# Altium PCB CHAHARDOLI-7 ADAD METAL.PcbDoc (part 10 of 11)
Units mm, origin at the board's own origin, x right, y up, seen from the top; angles counter-clockwise.
Board outline 151 x 86.38 mm, 2 copper layers (Top Layer, Bottom Layer); 1496 components, 81 nets, 3725 pads, 848 vias.
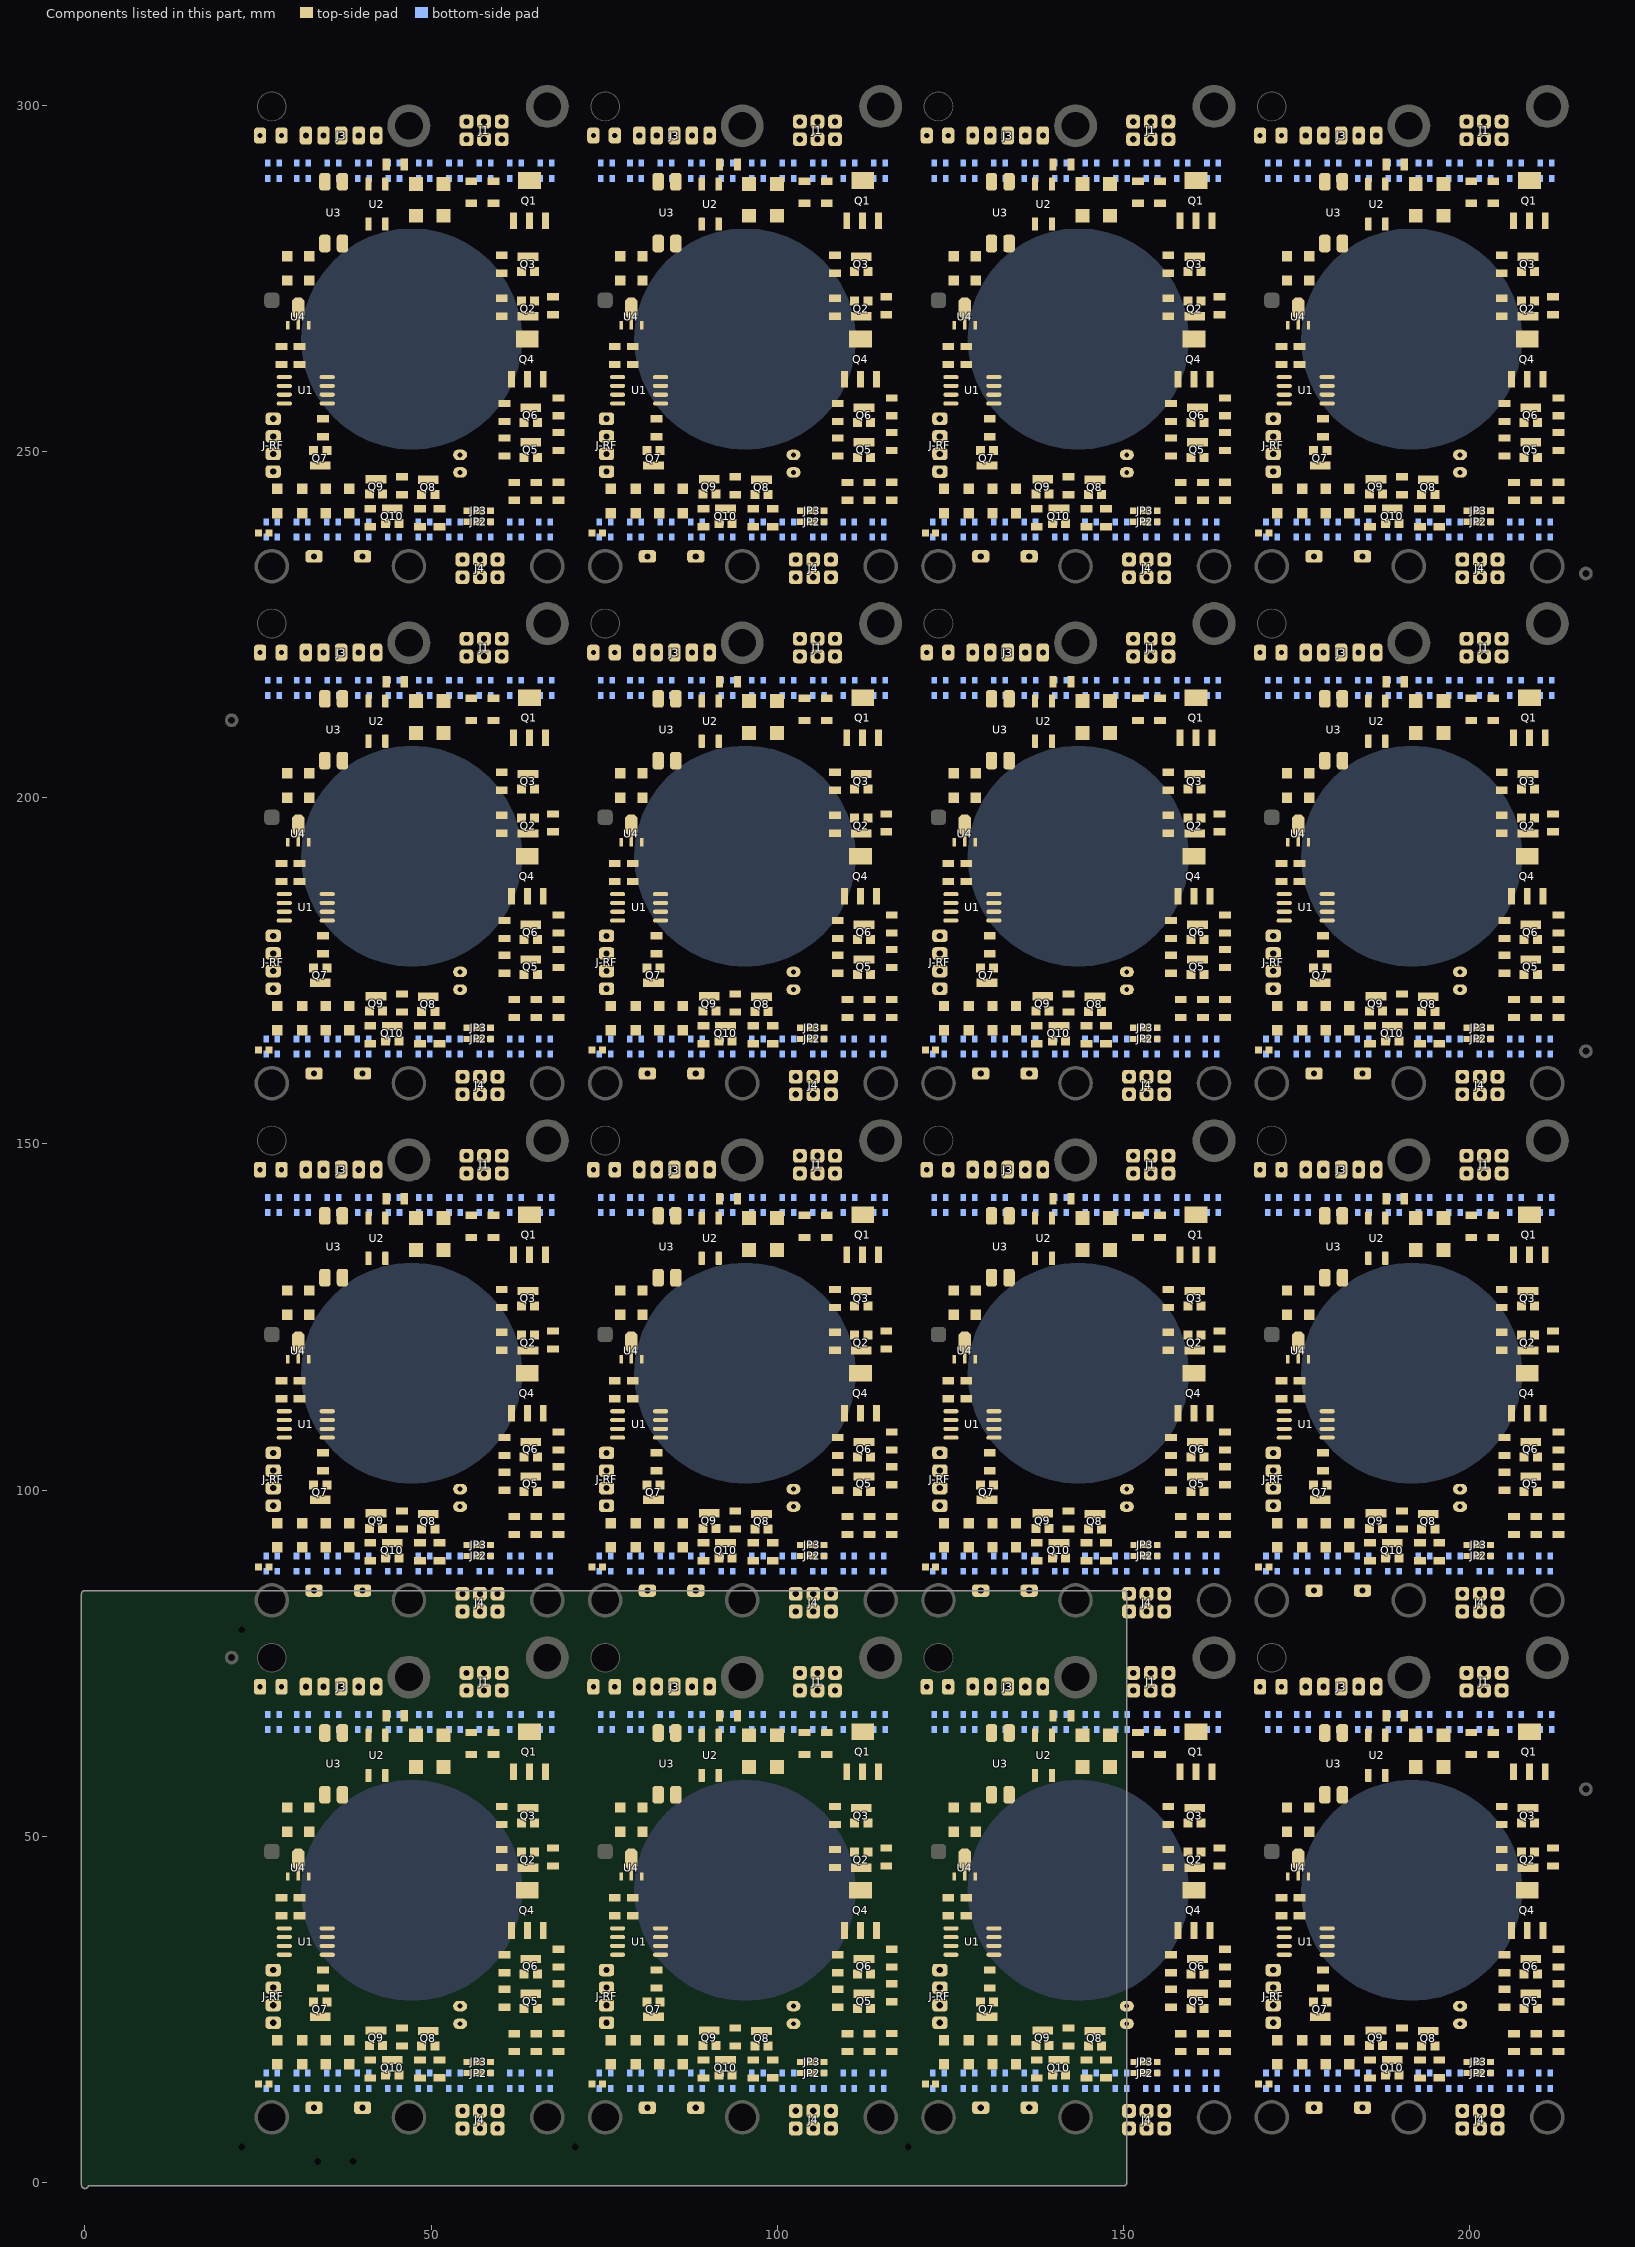
[diagram p10: the components of this part, seen from the top]

## Via types
v1: diameter 1.2, hole 0.6, Top Layer to Bottom Layer, tented both sides, 464 vias
v2: diameter 0.9, hole 0.6, Top Layer to Bottom Layer, tented both sides, 128 vias
v3: diameter 1, hole 0.6, Top Layer to Bottom Layer, tented both sides, 128 vias
v4: diameter 1.27, hole 0.6, Top Layer to Bottom Layer, tented both sides, 112 vias
v5: diameter 1.27, hole 0.711, Top Layer to Bottom Layer, tented both sides, 16 vias

## Nets (pads, with @x,y where several pads share a name; then routed paths per layer and width w, separated by ;. In a path a pad name is that pad's centre, name@x,y a point inside that pad or via, vN(x,y) a via of type N, cw(c..) or ccw(c..) an arc to the next point about the centre after c; other vN are vias at no path point) (continued)
copper on no net: (continued)
  Bottom Layer w0.4: 132.94,165.176 132.94,166.042 133.175,166.276 139.818,166.276 140.052,166.042 140.052,165.176 ; 132.94,239.864 132.94,240.73 133.175,240.964 139.818,240.964 140.052,240.73 140.052,239.864 ; 137.102,15.8 137.188,15.714 ; 137.102,90.488 137.188,90.402 ; 137.102,165.176 137.188,165.09 ; 137.102,239.864 137.188,239.779 ; 137.128,67.3 138.39,67.3 139.19,66.5 142.459,66.5 143.554,67.596 144.486,67.596 ; 137.128,141.988 138.39,141.988 139.19,141.188 142.459,141.188 143.554,142.284 144.486,142.284 ; 137.128,216.676 138.39,216.676 139.19,215.876 142.459,215.876 143.554,216.972 144.486,216.972 ; 137.128,291.364 138.39,291.364 139.19,290.564 142.459,290.564 143.554,291.66 144.486,291.66 ; 137.314,13.6 137.502,13.412 137.502,12.988 137.99,12.5 143.79,12.5 144.252,12.962 144.252,13.3 144.472,13.52 144.49,13.52 ; 137.314,88.288 137.502,88.1 137.502,87.676 137.99,87.188 143.79,87.188 144.252,87.65 144.252,87.988 144.472,88.208 144.49,88.208 ; 137.314,162.976 137.502,162.788 137.502,162.364 137.99,161.876 143.79,161.876 144.252,162.338 144.252,162.676 144.472,162.897 144.49,162.897 ; 137.314,237.664 137.502,237.476 137.502,237.053 137.99,236.564 143.79,236.564 144.252,237.026 144.252,237.364 144.472,237.585 144.49,237.585 ; 137.328,65.4 137.49,65.238 137.49,64.6 137.89,64.2 143.89,64.2 144.29,64.6 144.29,65.1 144.422,65.232 144.51,65.232 ; 137.328,140.088 137.49,139.926 137.49,139.288 137.89,138.888 143.89,138.888 144.29,139.288 144.29,139.788 144.422,139.92 144.51,139.92 ; 137.328,214.776 137.49,214.614 137.49,213.976 137.89,213.576 143.89,213.576 144.29,213.976 144.29,214.476 144.422,214.608 144.51,214.608 ; 137.328,289.464 137.49,289.303 137.49,288.664 137.89,288.264 143.89,288.264 144.29,288.664 144.29,289.164 144.422,289.296 144.51,289.296 ; 137.388,15.714 138.068,15.714 139.082,14.7 142.672,14.7 143.772,15.8 144.452,15.8 ; 137.388,90.402 138.068,90.402 139.082,89.388 142.672,89.388 143.772,90.488 144.452,90.488 ; 137.388,165.09 138.068,165.09 139.082,164.076 142.672,164.076 143.772,165.176 144.452,165.176 ; 137.388,239.779 138.068,239.779 139.082,238.764 142.672,238.764 143.772,239.864 144.452,239.864 ; 141.702,13.6 141.866,13.764 142.868,13.764 143.803,14.7 145.971,14.7 146.751,14.7 147.847,13.604 148.848,13.604 148.852,13.6 ; 141.702,15.8 141.702,16.666 141.936,16.9 148.618,16.9 148.852,16.666 148.852,15.8 ; 141.702,88.288 141.866,88.452 142.868,88.452 143.803,89.388 145.971,89.388 146.751,89.388 147.847,88.292 148.848,88.292 148.852,88.288 ; 141.702,90.488 141.702,91.354 141.936,91.588 148.618,91.588 148.852,91.354 148.852,90.488 ; 141.702,162.976 141.866,163.14 142.868,163.14 143.803,164.076 145.971,164.076 146.751,164.076 147.847,162.98 148.848,162.98 148.852,162.976 ; 141.702,165.176 141.702,166.042 141.936,166.276 148.618,166.276 148.852,166.042 148.852,165.176 ; 141.702,237.664 141.866,237.829 142.868,237.829 143.803,238.764 145.971,238.764 146.751,238.764 147.847,237.668 148.848,237.668 148.852,237.664 ; 141.702,239.864 141.702,240.73 141.936,240.964 148.618,240.964 148.852,240.73 148.852,239.864 ; 141.728,65.4 141.732,65.404 142.494,65.404 143.59,66.5 146.99,66.5 148.09,65.4 148.878,65.4 ; 141.728,67.6 141.928,67.8 141.928,68.238 142.39,68.7 148.19,68.7 148.678,68.212 148.678,67.8 148.878,67.6 ; 141.728,140.088 141.732,140.092 142.494,140.092 143.59,141.188 146.99,141.188 148.09,140.088 148.878,140.088 ; 141.728,142.288 141.928,142.488 141.928,142.926 142.39,143.388 148.19,143.388 148.678,142.9 148.678,142.488 148.878,142.288 ; 141.728,214.776 141.732,214.78 142.494,214.78 143.59,215.876 146.99,215.876 148.09,214.776 148.878,214.776 ; 141.728,216.976 141.928,217.176 141.928,217.614 142.39,218.076 148.19,218.076 148.678,217.588 148.678,217.176 148.878,216.976 ; 141.728,289.464 141.732,289.468 142.494,289.468 143.59,290.564 146.99,290.564 148.09,289.464 148.878,289.464 ; 141.728,291.664 141.928,291.864 141.928,292.303 142.39,292.764 148.19,292.764 148.678,292.276 148.678,291.864 148.878,291.664 ; 146.102,13.6 146.302,13.4 146.302,12.988 146.89,12.4 152.49,12.4 153.052,12.962 153.052,13.469 153.29,13.707 ; 146.102,15.8 146.89,15.8 147.99,14.7 151.39,14.7 152.49,15.8 152.852,15.8 ; 146.102,88.288 146.302,88.088 146.302,87.676 146.89,87.088 152.49,87.088 153.052,87.65 153.052,88.157 153.29,88.395 ; 146.102,90.488 146.89,90.488 147.99,89.388 151.39,89.388 152.49,90.488 152.852,90.488 ; 146.102,162.976 146.302,162.776 146.302,162.364 146.89,161.776 152.49,161.776 153.052,162.338 153.052,162.845 153.29,163.083 ; 146.102,165.176 146.89,165.176 147.99,164.076 151.39,164.076 152.49,165.176 152.852,165.176 ; 146.102,237.664 146.302,237.464 146.302,237.053 146.89,236.464 152.49,236.464 153.052,237.026 153.052,237.533 153.29,237.772 ; 146.102,239.864 146.89,239.864 147.99,238.764 151.39,238.764 152.49,239.864 152.852,239.864 ; 146.128,65.4 146.29,65.238 146.29,64.6 146.69,64.2 152.69,64.2 153.11,64.62 153.11,65.132 153.262,65.284 ; 146.128,140.088 146.29,139.926 146.29,139.288 146.69,138.888 152.69,138.888 153.11,139.308 153.11,139.82 153.262,139.972 ; 146.128,214.776 146.29,214.614 146.29,213.976 146.69,213.576 152.69,213.576 153.11,213.996 153.11,214.508 153.262,214.66 ; 146.128,289.464 146.29,289.303 146.29,288.664 146.69,288.264 152.69,288.264 153.11,288.684 153.11,289.196 153.262,289.348 ; 146.328,67.6 146.332,67.596 147.094,67.596 148.19,66.5 151.499,66.5 152.299,67.3 153.078,67.3 153.409,67.63 ; 146.328,142.288 146.332,142.284 147.094,142.284 148.19,141.188 151.499,141.188 152.299,141.988 153.078,141.988 153.409,142.318 ; 146.328,216.976 146.332,216.972 147.094,216.972 148.19,215.876 151.499,215.876 152.299,216.676 153.078,216.676 153.409,217.006 ; 146.328,291.664 146.332,291.66 147.094,291.66 148.19,290.564 151.498,290.564 152.298,291.364 153.078,291.364 153.409,291.695 ; 150.502,13.6 151.503,13.6 152.603,14.7 155.59,14.7 156.69,13.6 157.652,13.6 ; 150.502,15.8 150.585,15.883 150.585,16.666 150.819,16.9 156.552,16.9 157.352,16.1 157.452,16.1 157.652,15.9 157.652,15.8 ; 150.502,88.288 151.503,88.288 152.603,89.388 155.59,89.388 156.69,88.288 157.652,88.288 ; 150.502,90.488 150.585,90.571 150.585,91.354 150.819,91.588 156.552,91.588 157.352,90.788 157.452,90.788 157.652,90.588 157.652,90.488 ; 150.502,162.976 151.503,162.976 152.603,164.076 155.59,164.076 156.69,162.976 157.652,162.976 ; 150.502,165.176 150.585,165.259 150.585,166.042 150.819,166.276 156.552,166.276 157.352,165.476 157.452,165.476 157.652,165.276 157.652,165.176 ; 150.502,237.664 151.503,237.664 152.603,238.764 155.59,238.764 156.69,237.664 157.652,237.664 ; 150.502,239.864 150.585,239.947 150.585,240.73 150.819,240.964 156.552,240.964 157.352,240.164 157.452,240.164 157.652,239.964 157.652,239.864 ; 150.528,67.6 150.728,67.8 150.728,68.238 151.19,68.7 156.99,68.7 157.478,68.212 157.478,67.6 157.562,67.516 ; 150.528,142.288 150.728,142.488 150.728,142.926 151.19,143.388 156.99,143.388 157.478,142.9 157.478,142.288 157.562,142.204 ; 150.528,216.976 150.728,217.176 150.728,217.614 151.19,218.076 156.99,218.076 157.478,217.588 157.478,216.976 157.562,216.892 ; 150.528,291.664 150.728,291.864 150.728,292.303 151.19,292.764 156.99,292.764 157.478,292.276 157.478,291.664 157.562,291.58 ; 150.532,65.504 150.624,65.504 150.728,65.4 151.53,65.4 152.63,66.5 155.899,66.5 156.799,65.6 157.478,65.6 157.678,65.4 ; 150.532,140.192 150.624,140.192 150.728,140.088 151.53,140.088 152.63,141.188 155.899,141.188 156.799,140.288 157.478,140.288 157.678,140.088 ; 150.532,214.88 150.624,214.88 150.728,214.776 151.53,214.776 152.63,215.876 155.899,215.876 156.799,214.976 157.478,214.976 157.678,214.776 ; 150.532,289.568 150.624,289.568 150.728,289.464 151.53,289.464 152.63,290.564 155.898,290.564 156.798,289.664 157.478,289.664 157.678,289.464 ; 154.902,13.6 155.102,13.4 155.102,12.988 155.69,12.4 160.552,12.4 161.652,13.5 161.652,13.6 ; 154.902,15.8 155.89,15.8 156.99,14.7 159.951,14.7 161.051,15.8 161.652,15.8 ; 154.902,88.288 155.102,88.088 155.102,87.676 155.69,87.088 160.552,87.088 161.652,88.188 161.652,88.288 ; 154.902,90.488 155.89,90.488 156.99,89.388 159.951,89.388 161.051,90.488 161.652,90.488 ; 154.902,162.976 155.102,162.776 155.102,162.364 155.69,161.776 160.552,161.776 161.652,162.876 161.652,162.976 ; 154.902,165.176 155.89,165.176 156.99,164.076 159.951,164.076 161.051,165.176 161.652,165.176 ; 154.902,237.664 155.102,237.464 155.102,237.053 155.69,236.464 160.552,236.464 161.652,237.564 161.652,237.664 ; 154.902,239.864 155.89,239.864 156.99,238.764 159.951,238.764 161.051,239.864 161.652,239.864 ; 154.928,65.4 155.084,65.245 155.084,64.607 155.49,64.2 161.49,64.2 161.91,64.62 161.91,65.29 162.09,65.47 ; 154.928,67.4 155.128,67.6 155.93,67.6 157.03,66.5 160.099,66.5 161.199,67.6 162.078,67.6 ; 154.928,140.088 155.084,139.933 155.084,139.295 155.49,138.888 161.49,138.888 161.91,139.308 161.91,139.978 162.09,140.158 ; 154.928,142.088 155.128,142.288 155.93,142.288 157.03,141.188 160.099,141.188 161.199,142.288 162.078,142.288 ; 154.928,214.776 155.084,214.621 155.084,213.983 155.49,213.576 161.49,213.576 161.91,213.996 161.91,214.666 162.09,214.846 ; 154.928,216.776 155.128,216.976 155.93,216.976 157.03,215.876 160.099,215.876 161.199,216.976 162.078,216.976 ; 154.928,289.464 155.084,289.309 155.084,288.671 155.49,288.264 161.49,288.264 161.91,288.684 161.91,289.354 162.09,289.534 ; 154.928,291.464 155.128,291.664 155.93,291.664 157.03,290.564 160.098,290.564 161.198,291.664 162.078,291.664 ; v1@154.946,20.544 155.201,20.8 160.69,20.8 164.502,16.988 164.502,15.051 164.151,14.7 161.153,14.7 160.053,13.6 159.302,13.6 ; v1@154.946,95.232 155.201,95.488 160.69,95.488 164.502,91.676 164.502,89.74 164.151,89.388 161.153,89.388 160.053,88.288 159.302,88.288 ; v1@154.946,169.921 155.201,170.176 160.69,170.176 164.502,166.364 164.502,164.428 164.151,164.076 161.153,164.076 160.053,162.976 159.302,162.976 ; v1@154.946,244.609 155.201,244.864 160.69,244.864 164.502,241.053 164.502,239.116 164.151,238.764 161.153,238.764 160.053,237.664 159.302,237.664 ; 159.328,67.6 159.528,67.8 159.528,68.238 160.09,68.8 163.456,68.8 163.69,68.566 163.69,67.638 163.728,67.6 ; 159.328,142.288 159.528,142.488 159.528,142.926 160.09,143.488 163.456,143.488 163.69,143.254 163.69,142.326 163.728,142.288 ; 159.328,216.976 159.528,217.176 159.528,217.614 160.09,218.176 163.456,218.176 163.69,217.942 163.69,217.014 163.728,216.976 ; 159.328,291.664 159.528,291.864 159.528,292.303 160.09,292.864 163.456,292.864 163.69,292.63 163.69,291.703 163.728,291.664 ; v1(159.509,23.381) v1@159.49,23.362 ; v1(159.509,98.069) v1@159.49,98.05 ; v1(159.509,172.757) v1@159.49,172.738 ; v1(159.509,247.445) v1@159.49,247.426 ; 159.728,65.4 159.732,65.404 160.294,65.404 161.39,66.5 163.69,66.5 163.728,66.5 163.728,65.4 ; 159.728,140.088 159.732,140.092 160.294,140.092 161.39,141.188 163.69,141.188 163.728,141.188 163.728,140.088 ; 159.728,214.776 159.732,214.78 160.294,214.78 161.39,215.876 163.69,215.876 163.728,215.876 163.728,214.776 ; 159.728,289.464 159.732,289.468 160.294,289.468 161.39,290.564 163.69,290.564 163.728,290.564 163.728,289.464 ; 163.502,13.4 164.69,13.4 165.302,14.012 165.302,17.388 159.49,23.2 v1@159.49,23.362 ; 163.502,88.088 164.69,88.088 165.302,88.7 165.302,92.076 159.49,97.888 v1@159.49,98.05 ; 163.502,162.776 164.69,162.776 165.302,163.388 165.302,166.764 159.49,172.576 v1@159.49,172.738 ; 163.502,237.464 164.69,237.464 165.302,238.076 165.302,241.453 159.49,247.264 v1@159.49,247.426 ; 168.035,16 170.635,16 170.835,15.8 170.835,14.934 ; 168.035,90.688 170.635,90.688 170.835,90.488 170.835,89.622 ; 168.035,165.376 170.635,165.376 170.835,165.176 170.835,164.311 ; 168.035,240.064 170.635,240.064 170.835,239.864 170.835,238.999 ; v1(169.685,136.024) 169.685,136.241 169.024,136.902 169.024,141.654 169.67,142.3 170.811,142.3 170.824,142.288 ; v1(169.685,210.712) 169.685,210.929 169.024,211.59 169.024,216.342 169.67,216.988 170.811,216.988 170.824,216.976 ; v1(169.685,285.4) 169.685,285.617 169.024,286.279 169.024,291.03 169.67,291.676 170.811,291.676 170.824,291.664 ; v1(169.685,61.336) 169.685,61.552 169.024,62.214 169.024,66.966 169.67,67.612 170.811,67.612 170.824,67.6 ; 170.597,13.6 170.797,13.4 170.797,13.238 170.997,13.038 171.535,12.5 174.535,12.5 175.009,12.974 175.009,13.334 175.235,13.56 ; 170.597,88.288 170.797,88.088 170.797,87.926 170.997,87.726 171.535,87.188 174.535,87.188 175.009,87.662 175.009,88.022 175.235,88.249 ; 170.597,162.976 170.797,162.776 170.797,162.614 170.997,162.414 171.535,161.876 174.535,161.876 175.009,162.35 175.009,162.71 175.235,162.937 ; 170.597,237.664 170.797,237.464 170.797,237.303 170.997,237.103 171.535,236.564 174.535,236.564 175.009,237.038 175.009,237.398 175.235,237.625 ; 170.797,13.6 170.797,15.8 ; 170.797,88.288 170.797,90.488 ; 170.797,162.976 170.797,165.176 ; 170.797,237.664 170.797,239.864 ; 170.824,65.4 171.024,65.2 171.024,64.812 172.235,63.6 172.235,62.028 169.035,58.828 169.035,19 170.235,17.8 205.801,17.8 205.848,17.753 206.165,17.753 206.318,17.6 v1(206.435,17.6) 206.635,17.6 207.57,16.666 207.57,15.923 207.447,15.8 ; 170.824,140.088 171.024,139.888 171.024,139.5 172.235,138.288 172.235,136.717 169.035,133.517 169.035,93.688 170.235,92.488 205.801,92.488 205.848,92.441 206.165,92.441 206.318,92.288 v1(206.435,92.288) 206.635,92.288 207.57,91.354 207.57,90.611 207.447,90.488 ; 170.824,214.776 171.024,214.576 171.024,214.188 172.235,212.976 172.235,211.405 169.035,208.205 169.035,168.376 170.235,167.176 205.801,167.176 205.848,167.129 206.165,167.129 206.318,166.976 v1(206.435,166.976) 206.635,166.976 207.57,166.042 207.57,165.299 207.447,165.176 ; 170.824,289.464 171.024,289.264 171.024,288.876 172.235,287.664 172.235,286.093 169.035,282.893 169.035,243.064 170.235,241.864 205.801,241.864 205.848,241.817 206.165,241.817 206.318,241.664 v1(206.435,241.664) 206.635,241.664 207.57,240.73 207.57,239.987 207.447,239.864 ; 170.835,14.7 172.935,14.7 174.035,15.8 174.997,15.8 175.209,15.8 ; 170.835,89.388 172.935,89.388 174.035,90.488 174.997,90.488 175.209,90.488 ; 170.835,164.076 172.935,164.076 174.035,165.176 174.997,165.176 175.209,165.176 ; 170.835,238.764 172.935,238.764 174.035,239.864 174.997,239.864 175.209,239.864 ; v1(171.035,62.8) 169.824,64.012 169.824,66.188 170.135,66.5 173.204,66.5 174.258,67.554 174.824,67.554 174.824,67.6 ; v1(171.035,137.488) 169.824,138.7 169.824,140.876 170.135,141.188 173.204,141.188 174.258,142.242 174.824,142.242 174.824,142.288 ; v1(171.035,212.176) 169.824,213.388 169.824,215.564 170.135,215.876 173.204,215.876 174.258,216.93 174.824,216.93 174.824,216.976 ; v1(171.035,286.864) 169.824,288.076 169.824,290.253 170.135,290.564 173.204,290.564 174.258,291.618 174.824,291.618 174.824,291.664 ; v1(171.835,58.6) 171.682,58.447 171.682,58.047 170.735,57.1 170.735,34.5 173.635,31.6 173.635,22.2 176.285,19.55 201.805,19.55 202.855,20.6 v1(203.035,20.6) ; v1(171.835,133.288) 171.682,133.135 171.682,132.735 170.735,131.788 170.735,109.188 173.635,106.288 173.635,96.888 176.285,94.238 201.805,94.238 202.855,95.288 v1(203.035,95.288) ; v1(171.835,207.976) 171.682,207.823 171.682,207.423 170.735,206.476 170.735,183.876 173.635,180.976 173.635,171.576 176.285,168.926 201.805,168.926 202.855,169.976 v1(203.035,169.976) ; v1(171.835,282.664) 171.682,282.511 171.682,282.111 170.735,281.164 170.735,258.564 173.635,255.664 173.635,246.264 176.285,243.614 201.805,243.614 202.855,244.664 v1(203.035,244.664) ; 172.247,13.6 173.035,13.6 174.135,14.7 177.507,14.7 178.604,13.604 179.393,13.604 179.397,13.6 ; 172.247,88.288 173.035,88.288 174.135,89.388 177.507,89.388 178.604,88.292 179.393,88.292 179.397,88.288 ; 172.247,162.976 173.035,162.976 174.135,164.076 177.507,164.076 178.604,162.98 179.393,162.98 179.397,162.976 ; 172.247,237.664 173.035,237.664 174.135,238.764 177.507,238.764 178.604,237.668 179.393,237.668 179.397,237.664 ; 172.447,15.8 172.447,16.666 172.681,16.9 179.201,16.9 179.435,16.666 179.435,15.8 ; 172.447,90.488 172.447,91.354 172.681,91.588 179.201,91.588 179.435,91.354 179.435,90.488 ; 172.447,165.176 172.447,166.042 172.681,166.276 179.201,166.276 179.435,166.042 179.435,165.176 ; 172.447,239.864 172.447,240.73 172.681,240.964 179.201,240.964 179.435,240.73 179.435,239.864 ; 172.474,67.6 172.674,67.8 172.674,68.238 173.135,68.7 178.735,68.7 179.224,68.212 179.224,67.8 179.424,67.6 ; 172.474,142.288 172.674,142.488 172.674,142.926 173.135,143.388 178.735,143.388 179.224,142.9 179.224,142.488 179.424,142.288 ; 172.474,216.976 172.674,217.176 172.674,217.614 173.135,218.076 178.735,218.076 179.224,217.588 179.224,217.176 179.424,216.976 ; 172.474,291.664 172.674,291.864 172.674,292.303 173.135,292.764 178.735,292.764 179.223,292.276 179.223,291.864 179.424,291.664 ; 172.667,65.593 172.672,65.599 173.434,65.599 174.335,66.5 177.535,66.5 178.635,65.4 179.024,65.4 ; 172.667,140.281 172.672,140.287 173.434,140.287 174.335,141.188 177.535,141.188 178.635,140.088 179.024,140.088 ; 172.667,214.97 172.672,214.975 173.434,214.975 174.335,215.876 177.535,215.876 178.635,214.776 179.024,214.776 ; 172.667,289.658 172.672,289.663 173.434,289.663 174.335,290.564 177.535,290.564 178.635,289.464 179.024,289.464 ; v1(173.035,60) 173.035,59.784 173.435,59.384 173.435,58.2 171.535,56.3 171.535,34.9 174.435,32 174.435,23 177.085,20.35 201.082,20.35 202.932,22.2 206.474,22.2 v1@207.635,23.362 ; v1(173.035,134.688) 173.035,134.472 173.435,134.072 173.435,132.888 171.535,130.988 171.535,109.588 174.435,106.688 174.435,97.688 177.085,95.038 201.082,95.038 202.932,96.888 206.474,96.888 v1@207.635,98.05 ; v1(173.035,209.376) 173.035,209.16 173.435,208.76 173.435,207.576 171.535,205.676 171.535,184.276 174.435,181.376 174.435,172.376 177.085,169.726 201.082,169.726 202.932,171.576 206.474,171.576 v1@207.635,172.738 ; v1(173.035,284.064) 173.035,283.848 173.435,283.448 173.435,282.264 171.535,280.364 171.535,258.964 174.435,256.064 174.435,247.064 177.085,244.414 201.082,244.414 202.932,246.264 206.474,246.264 v1@207.635,247.426 ; 175.024,65.4 174.855,65.232 174.855,63.517 169.835,58.497 169.835,20.22 171.305,18.75 203.585,18.75 203.835,19 208.035,19 v1(209.435,17.6) 210.235,17.6 211.447,16.388 211.447,16 211.647,15.8 ; 175.024,140.088 174.855,139.92 174.855,138.205 169.835,133.185 169.835,94.908 171.305,93.438 203.585,93.438 203.835,93.688 208.035,93.688 v1(209.435,92.288) 210.235,92.288 211.447,91.076 211.447,90.688 211.647,90.488 ; 175.024,214.776 174.855,214.608 174.855,212.893 169.835,207.873 169.835,169.596 171.305,168.126 203.585,168.126 203.835,168.376 208.035,168.376 v1(209.435,166.976) 210.235,166.976 211.447,165.764 211.447,165.376 211.647,165.176 ; 175.024,289.464 174.855,289.296 174.855,287.581 169.835,282.561 169.835,244.284 171.305,242.814 203.585,242.814 203.835,243.064 208.035,243.064 v1(209.435,241.664) 210.235,241.664 211.447,240.453 211.447,240.064 211.647,239.864 ; 176.674,67.6 177.675,67.6 178.775,66.5 182.044,66.5 183.058,67.514 183.738,67.514 183.824,67.6 ; 176.674,142.288 177.675,142.288 178.775,141.188 182.044,141.188 183.058,142.202 183.738,142.202 183.824,142.288 ; 176.674,216.976 177.675,216.976 178.775,215.876 182.044,215.876 183.058,216.89 183.738,216.89 183.824,216.976 ; 176.674,291.664 177.675,291.664 178.775,290.564 182.044,290.564 183.058,291.579 183.738,291.579 183.824,291.664 ; 176.701,65.173 176.701,64.534 177.035,64.2 183.235,64.2 183.655,64.62 183.655,65.208 183.835,65.388 ; 176.701,139.861 176.701,139.222 177.035,138.888 183.235,138.888 183.655,139.308 183.655,139.896 183.835,140.077 ; 176.701,214.549 176.701,213.911 177.035,213.576 183.235,213.576 183.655,213.996 183.655,214.584 183.835,214.765 ; 176.701,289.237 176.701,288.599 177.035,288.264 183.235,288.264 183.655,288.684 183.655,289.273 183.835,289.453 ; 176.859,15.6 176.959,15.5 177.839,15.5 178.639,14.7 182.004,14.7 182.804,15.5 183.597,15.5 183.809,15.712 183.809,15.8 ; 176.859,90.288 176.959,90.188 177.839,90.188 178.639,89.388 182.004,89.388 182.804,90.188 183.597,90.188 183.809,90.4 183.809,90.488 ; 176.859,164.976 176.959,164.876 177.839,164.876 178.639,164.076 182.004,164.076 182.804,164.876 183.597,164.876 183.809,165.088 183.809,165.176 ; 176.859,239.664 176.959,239.564 177.839,239.564 178.639,238.764 182.004,238.764 182.804,239.564 183.597,239.564 183.809,239.776 183.809,239.864 ; 176.959,13.4 177.059,13.3 177.059,12.976 177.535,12.5 183.135,12.5 183.597,12.962 183.597,13.331 183.835,13.569 ; 176.959,88.088 177.059,87.988 177.059,87.665 177.535,87.188 183.135,87.188 183.597,87.65 183.597,88.019 183.835,88.258 ; 176.959,162.776 177.059,162.676 177.059,162.353 177.535,161.876 183.135,161.876 183.597,162.338 183.597,162.707 183.835,162.946 ; 176.959,237.464 177.059,237.364 177.059,237.041 177.535,236.564 183.135,236.564 183.597,237.026 183.597,237.396 183.835,237.634 ; 181.047,13.6 182.035,13.6 183.135,14.7 184.799,14.7 186.096,14.7 187.196,13.6 188.197,13.6 ; 181.047,88.288 182.035,88.288 183.135,89.388 184.799,89.388 186.096,89.388 187.196,88.288 188.197,88.288 ; 181.047,162.976 182.035,162.976 183.135,164.076 184.799,164.076 186.096,164.076 187.196,162.976 188.197,162.976 ; 181.047,237.664 182.035,237.664 183.135,238.764 184.799,238.764 186.096,238.764 187.196,237.664 188.197,237.664 ; 181.074,65.488 181.186,65.488 181.274,65.4 182.075,65.4 183.175,66.5 186.135,66.5 187.235,65.4 188.224,65.4 ; 181.074,67.6 181.274,67.8 181.274,68.238 181.735,68.7 187.535,68.7 188.024,68.212 188.024,67.8 188.224,67.6 ; 181.074,140.176 181.186,140.176 181.274,140.088 182.075,140.088 183.175,141.188 186.135,141.188 187.235,140.088 188.224,140.088 ; 181.074,142.288 181.274,142.488 181.274,142.926 181.735,143.388 187.535,143.388 188.024,142.9 188.024,142.488 188.224,142.288 ; 181.074,214.864 181.186,214.864 181.274,214.776 182.075,214.776 183.175,215.876 186.135,215.876 187.235,214.776 188.224,214.776 ; 181.074,216.976 181.274,217.176 181.274,217.614 181.735,218.076 187.535,218.076 188.024,217.588 188.024,217.176 188.224,216.976 ; 181.074,289.552 181.186,289.552 181.274,289.464 182.075,289.464 183.175,290.564 186.135,290.564 187.235,289.464 188.224,289.464 ; 181.074,291.664 181.274,291.864 181.274,292.303 181.735,292.764 187.535,292.764 188.023,292.276 188.023,291.864 188.224,291.664 ; 181.085,15.8 181.085,16.666 181.32,16.9 187.963,16.9 188.197,16.666 188.197,15.8 ; 181.085,90.488 181.085,91.354 181.32,91.588 187.963,91.588 188.197,91.354 188.197,90.488 ; 181.085,165.176 181.085,166.042 181.32,166.276 187.963,166.276 188.197,166.042 188.197,165.176 ; 181.085,239.864 181.085,240.73 181.32,240.964 187.963,240.964 188.197,240.73 188.197,239.864 ; 185.247,15.8 185.333,15.714 ; 185.247,90.488 185.333,90.402 ; 185.247,165.176 185.333,165.09 ; 185.247,239.864 185.333,239.779 ; 185.274,67.3 186.535,67.3 187.335,66.5 190.604,66.5 191.7,67.596 192.631,67.596 ; 185.274,141.988 186.535,141.988 187.335,141.188 190.604,141.188 191.7,142.284 192.631,142.284 ; 185.274,216.676 186.535,216.676 187.335,215.876 190.604,215.876 191.7,216.972 192.631,216.972 ; 185.274,291.364 186.535,291.364 187.335,290.564 190.604,290.564 191.7,291.66 192.631,291.66 ; 185.459,13.6 185.647,13.412 185.647,12.988 186.135,12.5 191.935,12.5 192.397,12.962 192.397,13.3 192.618,13.52 192.635,13.52 ; 185.459,88.288 185.647,88.1 185.647,87.676 186.135,87.188 191.935,87.188 192.397,87.65 192.397,87.988 192.617,88.208 192.635,88.208 ; 185.459,162.976 185.647,162.788 185.647,162.364 186.135,161.876 191.935,161.876 192.397,162.338 192.397,162.676 192.617,162.897 192.635,162.897 ; 185.459,237.664 185.647,237.476 185.647,237.053 186.135,236.564 191.935,236.564 192.397,237.026 192.397,237.364 192.617,237.585 192.635,237.585 ; 185.474,65.4 185.635,65.238 185.635,64.6 186.035,64.2 192.035,64.2 192.435,64.6 192.435,65.1 192.567,65.232 192.655,65.232 ; 185.474,140.088 185.635,139.926 185.635,139.288 186.035,138.888 192.035,138.888 192.435,139.288 192.435,139.788 192.567,139.92 192.655,139.92 ; 185.474,214.776 185.635,214.614 185.635,213.976 186.035,213.576 192.035,213.576 192.435,213.976 192.435,214.476 192.567,214.608 192.655,214.608 ; 185.474,289.464 185.635,289.303 185.635,288.664 186.035,288.264 192.035,288.264 192.435,288.664 192.435,289.164 192.567,289.296 192.655,289.296 ; 185.533,15.714 186.213,15.714 187.227,14.7 190.817,14.7 191.917,15.8 192.597,15.8 ; 185.533,90.402 186.213,90.402 187.227,89.388 190.817,89.388 191.917,90.488 192.597,90.488 ; 185.533,165.09 186.213,165.09 187.227,164.076 190.817,164.076 191.917,165.176 192.597,165.176 ; 185.533,239.779 186.213,239.779 187.227,238.764 190.817,238.764 191.917,239.864 192.597,239.864 ; 189.847,13.6 190.011,13.764 191.013,13.764 191.949,14.7 194.116,14.7 194.896,14.7 195.992,13.604 196.993,13.604 196.997,13.6 ; 189.847,15.8 189.847,16.666 190.081,16.9 196.763,16.9 196.997,16.666 196.997,15.8 ; 189.847,88.288 190.011,88.452 191.013,88.452 191.949,89.388 194.116,89.388 194.896,89.388 195.992,88.292 196.993,88.292 196.997,88.288 ; 189.847,90.488 189.847,91.354 190.081,91.588 196.763,91.588 196.997,91.354 196.997,90.488 ; 189.847,162.976 190.011,163.14 191.013,163.14 191.949,164.076 194.116,164.076 194.896,164.076 195.992,162.98 196.993,162.98 196.997,162.976 ; 189.847,165.176 189.847,166.042 190.081,166.276 196.763,166.276 196.997,166.042 196.997,165.176 ; 189.847,237.664 190.011,237.829 191.013,237.829 191.949,238.764 194.116,238.764 194.896,238.764 195.992,237.668 196.993,237.668 196.997,237.664 ; 189.847,239.864 189.847,240.73 190.081,240.964 196.763,240.964 196.997,240.73 196.997,239.864 ; 189.874,65.4 189.877,65.404 190.639,65.404 191.735,66.5 195.135,66.5 196.235,65.4 197.024,65.4 ; 189.874,67.6 190.074,67.8 190.074,68.238 190.535,68.7 196.335,68.7 196.824,68.212 196.824,67.8 197.024,67.6 ; 189.874,140.088 189.877,140.092 190.639,140.092 191.735,141.188 195.135,141.188 196.235,140.088 197.024,140.088 ; 189.874,142.288 190.074,142.488 190.074,142.926 190.535,143.388 196.335,143.388 196.824,142.9 196.824,142.488 197.024,142.288 ; 189.874,214.776 189.877,214.78 190.639,214.78 191.735,215.876 195.135,215.876 196.235,214.776 197.024,214.776 ; 189.874,216.976 190.074,217.176 190.074,217.614 190.535,218.076 196.335,218.076 196.824,217.588 196.824,217.176 197.024,216.976 ; 189.874,289.464 189.877,289.468 190.639,289.468 191.735,290.564 195.135,290.564 196.235,289.464 197.024,289.464 ; 189.874,291.664 190.074,291.864 190.074,292.303 190.535,292.764 196.335,292.764 196.824,292.276 196.824,291.864 197.024,291.664 ; 194.247,88.288 194.447,88.088 194.447,87.676 195.035,87.088 200.635,87.088 201.197,87.65 201.197,88.157 201.435,88.395 ; 194.247,90.488 195.035,90.488 196.135,89.388 199.535,89.388 200.635,90.488 200.997,90.488 ; 194.247,162.976 194.447,162.776 194.447,162.364 195.035,161.776 200.635,161.776 201.197,162.338 201.197,162.845 201.435,163.083 ; 194.247,165.176 195.035,165.176 196.135,164.076 199.535,164.076 200.635,165.176 200.997,165.176 ; 194.247,237.664 194.447,237.464 194.447,237.053 195.035,236.464 200.635,236.464 201.197,237.026 201.197,237.533 201.435,237.772 ; 194.247,239.864 195.035,239.864 196.135,238.764 199.535,238.764 200.635,239.864 200.997,239.864 ; 194.247,13.6 194.447,13.4 194.447,12.988 195.035,12.4 200.635,12.4 201.197,12.962 201.197,13.469 201.435,13.707 ; 194.247,15.8 195.035,15.8 196.135,14.7 199.535,14.7 200.635,15.8 200.997,15.8 ; 194.274,65.4 194.435,65.238 194.435,64.6 194.835,64.2 200.835,64.2 201.255,64.62 201.255,65.132 201.408,65.284 ; 194.274,140.088 194.435,139.926 194.435,139.288 194.835,138.888 200.835,138.888 201.255,139.308 201.255,139.82 201.408,139.972 ; 194.274,214.776 194.435,214.614 194.435,213.976 194.835,213.576 200.835,213.576 201.255,213.996 201.255,214.508 201.408,214.66 ; 194.274,289.464 194.435,289.303 194.435,288.664 194.835,288.264 200.835,288.264 201.255,288.684 201.255,289.196 201.408,289.348 ; 194.474,67.6 194.477,67.596 195.239,67.596 196.335,66.5 199.644,66.5 200.444,67.3 201.224,67.3 201.554,67.63 ; 194.474,142.288 194.477,142.284 195.239,142.284 196.335,141.188 199.644,141.188 200.444,141.988 201.224,141.988 201.554,142.318 ; 194.474,216.976 194.477,216.972 195.239,216.972 196.335,215.876 199.644,215.876 200.444,216.676 201.224,216.676 201.554,217.006 ; 194.474,291.664 194.477,291.66 195.239,291.66 196.335,290.564 199.644,290.564 200.444,291.364 201.224,291.364 201.554,291.695 ; 198.647,13.6 199.649,13.6 200.749,14.7 203.735,14.7 204.835,13.6 205.797,13.6 ; 198.647,15.8 198.73,15.883 198.73,16.666 198.964,16.9 204.697,16.9 205.497,16.1 205.597,16.1 205.797,15.9 205.797,15.8 ; 198.647,88.288 199.649,88.288 200.749,89.388 203.735,89.388 204.835,88.288 205.797,88.288 ; 198.647,90.488 198.73,90.571 198.73,91.354 198.964,91.588 204.697,91.588 205.497,90.788 205.597,90.788 205.797,90.588 205.797,90.488 ; 198.647,162.976 199.649,162.976 200.749,164.076 203.735,164.076 204.835,162.976 205.797,162.976 ; 198.647,165.176 198.73,165.259 198.73,166.042 198.964,166.276 204.697,166.276 205.497,165.476 205.597,165.476 205.797,165.276 205.797,165.176 ; 198.647,237.664 199.649,237.664 200.749,238.764 203.735,238.764 204.835,237.664 205.797,237.664 ; 198.647,239.864 198.73,239.947 198.73,240.73 198.964,240.964 204.697,240.964 205.497,240.164 205.597,240.164 205.797,239.964 205.797,239.864 ; 198.674,67.6 198.874,67.8 198.874,68.238 199.335,68.7 205.135,68.7 205.624,68.212 205.624,67.6 205.708,67.516 ; 198.674,142.288 198.874,142.488 198.874,142.926 199.335,143.388 205.135,143.388 205.624,142.9 205.624,142.288 205.708,142.204 ; 198.674,216.976 198.874,217.176 198.874,217.614 199.335,218.076 205.135,218.076 205.624,217.588 205.624,216.976 205.708,216.892 ; 198.674,291.664 198.874,291.864 198.874,292.303 199.335,292.764 205.135,292.764 205.624,292.276 205.624,291.664 205.708,291.58 ; 198.678,65.504 198.77,65.504 198.874,65.4 199.675,65.4 200.775,66.5 204.044,66.5 204.944,65.6 205.624,65.6 205.824,65.4 ; 198.678,140.192 198.769,140.192 198.874,140.088 199.675,140.088 200.775,141.188 204.044,141.188 204.944,140.288 205.624,140.288 205.824,140.088 ; 198.678,214.88 198.769,214.88 198.874,214.776 199.675,214.776 200.775,215.876 204.044,215.876 204.944,214.976 205.624,214.976 205.824,214.776 ; 198.678,289.568 198.769,289.568 198.874,289.464 199.675,289.464 200.775,290.564 204.044,290.564 204.944,289.664 205.624,289.664 205.824,289.464 ; 203.047,13.6 203.247,13.4 203.247,12.988 203.835,12.4 208.697,12.4 209.797,13.5 209.797,13.6 ; 203.047,15.8 204.035,15.8 205.135,14.7 208.096,14.7 209.196,15.8 209.797,15.8 ; 203.047,88.288 203.247,88.088 203.247,87.676 203.835,87.088 208.697,87.088 209.797,88.188 209.797,88.288 ; 203.047,90.488 204.035,90.488 205.135,89.388 208.096,89.388 209.196,90.488 209.797,90.488 ; 203.047,162.976 203.247,162.776 203.247,162.364 203.835,161.776 208.697,161.776 209.797,162.876 209.797,162.976 ; 203.047,165.176 204.035,165.176 205.135,164.076 208.096,164.076 209.196,165.176 209.797,165.176 ; 203.047,237.664 203.247,237.464 203.247,237.053 203.835,236.464 208.697,236.464 209.797,237.564 209.797,237.664 ; 203.047,239.864 204.035,239.864 205.135,238.764 208.096,238.764 209.196,239.864 209.797,239.864 ; 203.074,65.4 203.229,65.245 203.229,64.607 203.635,64.2 209.635,64.2 210.055,64.62 210.055,65.29 210.235,65.47 ; 203.074,67.4 203.274,67.6 204.075,67.6 205.175,66.5 208.244,66.5 209.344,67.6 210.224,67.6 ; 203.074,140.088 203.229,139.933 203.229,139.295 203.635,138.888 209.635,138.888 210.055,139.308 210.055,139.978 210.235,140.158 ; 203.074,142.088 203.274,142.288 204.075,142.288 205.175,141.188 208.244,141.188 209.344,142.288 210.224,142.288 ; 203.074,214.776 203.229,214.621 203.229,213.983 203.635,213.576 209.635,213.576 210.055,213.996 210.055,214.666 210.235,214.846 ; 203.074,216.776 203.274,216.976 204.075,216.976 205.175,215.876 208.244,215.876 209.344,216.976 210.224,216.976 ; 203.074,289.464 203.229,289.309 203.229,288.671 203.635,288.264 209.635,288.264 210.055,288.684 210.055,289.354 210.235,289.534 ; 203.074,291.464 203.274,291.664 204.075,291.664 205.175,290.564 208.244,290.564 209.344,291.664 210.224,291.664 ; v1@203.091,20.544 203.347,20.8 208.835,20.8 212.647,16.988 212.647,15.051 212.296,14.7 209.298,14.7 208.198,13.6 207.447,13.6 ; v1@203.091,95.232 203.347,95.488 208.835,95.488 212.647,91.676 212.647,89.74 212.296,89.388 209.298,89.388 208.198,88.288 207.447,88.288 ; v1@203.091,169.921 203.347,170.176 208.835,170.176 212.647,166.364 212.647,164.428 212.296,164.076 209.298,164.076 208.198,162.976 207.447,162.976 ; v1@203.091,244.609 203.347,244.864 208.835,244.864 212.647,241.053 212.647,239.116 212.296,238.764 209.298,238.764 208.198,237.664 207.447,237.664 ; 207.474,67.6 207.674,67.8 207.674,68.238 208.235,68.8 211.601,68.8 211.835,68.566 211.835,67.638 211.874,67.6 ; 207.474,142.288 207.674,142.488 207.674,142.926 208.235,143.488 211.601,143.488 211.835,143.254 211.835,142.326 211.874,142.288 ; 207.474,216.976 207.674,217.176 207.674,217.614 208.235,218.176 211.601,218.176 211.835,217.942 211.835,217.014 211.874,216.976 ; 207.474,291.664 207.674,291.864 207.674,292.303 208.235,292.864 211.601,292.864 211.835,292.63 211.835,291.703 211.874,291.664 ; v1(207.655,23.381) v1@207.635,23.362 ; v1(207.655,98.069) v1@207.635,98.05 ; v1(207.655,172.757) v1@207.635,172.738 ; v1(207.655,247.445) v1@207.635,247.426 ; 207.874,65.4 207.877,65.404 208.439,65.404 209.535,66.5 211.835,66.5 211.874,66.5 211.874,65.4 ; 207.874,140.088 207.877,140.092 208.439,140.092 209.535,141.188 211.835,141.188 211.874,141.188 211.874,140.088 ; 207.874,214.776 207.877,214.78 208.439,214.78 209.535,215.876 211.835,215.876 211.874,215.876 211.874,214.776 ; 207.874,289.464 207.877,289.468 208.439,289.468 209.535,290.564 211.835,290.564 211.873,290.564 211.874,289.464 ; 211.647,13.4 212.835,13.4 213.447,14.012 213.447,17.388 207.635,23.2 v1@207.635,23.362 ; 211.647,88.088 212.835,88.088 213.447,88.7 213.447,92.076 207.635,97.888 v1@207.635,98.05 ; 211.647,162.776 212.835,162.776 213.447,163.388 213.447,166.764 207.635,172.576 v1@207.635,172.738 ; 211.647,237.464 212.835,237.464 213.447,238.076 213.447,241.453 207.635,247.264 v1@207.635,247.426
  Bottom Layer w0.5: v1(34.6,136.888) 34.643,136.888 35.243,137.488 53.6,137.488 56.453,134.635 56.853,134.635 v4(57,134.488) ; v1(34.6,211.576) 34.643,211.576 35.243,212.176 53.6,212.176 56.453,209.324 56.853,209.324 v4(57,209.176) ; v1(34.6,286.264) 34.643,286.264 35.243,286.864 53.6,286.864 56.453,284.012 56.853,284.012 v4(57,283.864) ; v1(41.4,98.088) 41.4,96.888 42.4,95.888 55.611,95.888 56.411,96.688 v1(56.6,96.688) ; v1(41.4,172.776) 41.4,171.576 42.4,170.576 55.611,170.576 56.411,171.376 v1(56.6,171.376) ; v1(41.4,247.464) 41.4,246.264 42.4,245.264 55.611,245.264 56.411,246.064 v1(56.6,246.064) ; v1(44.2,98.088) 51.2,98.088 53.27,100.158 53.8,100.158 ; v1(44.2,172.776) 51.2,172.776 53.27,174.846 53.8,174.846 ; v1(44.2,247.464) 51.2,247.464 53.27,249.534 53.8,249.534 ; 46.8,74.2 46.8,73 v3(48.6,74.8) ; 46.8,148.888 46.8,147.688 v3(48.6,149.488) ; 46.8,223.576 46.8,222.376 v3(48.6,224.176) ; 46.8,298.264 46.8,297.064 v3(48.6,298.864) ; v3@48.4,74.8 49.4,75.8 v1(54.276,75.8) ; v3@48.4,149.488 49.4,150.488 v1(54.276,150.488) ; v3@48.4,224.176 49.4,225.176 v1(54.276,225.176) ; v3@48.4,298.864 49.4,299.864 v1(54.276,299.864) ; 54.213,100.554 55.266,100.554 ; 54.213,175.242 55.266,175.242 ; 54.213,249.93 55.266,249.93 ; 56.3,100.188 55.934,100.554 55.266,100.554 ; 56.3,174.876 55.934,175.242 55.266,175.242 ; 56.3,249.564 55.934,249.93 55.266,249.93 ; 56.4,100.088 56.45,100.088 56.85,99.688 60.4,99.688 64.6,103.888 v1(66.2,103.888) ; 56.4,174.776 56.45,174.776 56.85,174.376 60.4,174.376 64.6,178.576 v1(66.2,178.576) ; 56.4,249.464 56.45,249.464 56.85,249.064 60.4,249.064 64.6,253.264 v1(66.2,253.264) ; v1(58.2,101.088) 60,101.088 67.2,108.288 67.2,117.099 66.8,117.499 v1(66.8,117.688) ; v1(58.2,175.776) 60,175.776 67.2,182.976 67.2,191.787 66.8,192.187 v1(66.8,192.376) ; v1(58.2,250.464) 60,250.464 67.2,257.664 67.2,266.475 66.8,266.875 v1(66.8,267.064) ; v1@60,131.688 66.4,131.688 v1(67.4,130.688) 69.885,128.203 69.885,101.973 v1(66.8,98.888) ; v1@60,206.376 66.4,206.376 v1(67.4,205.376) 69.885,202.891 69.885,176.661 v1(66.8,173.576) ; v1@60,281.064 66.4,281.064 v1(67.4,280.064) 69.885,277.579 69.885,251.349 v1(66.8,248.264) ; v1(65.6,108.888) 59.8,103.088 57.8,103.088 55.266,100.554 ; v1(65.6,183.576) 59.8,177.776 57.8,177.776 55.266,175.242 ; v1(65.6,258.264) 59.8,252.464 57.8,252.464 55.266,249.93 ; v1(82.745,62.2) 82.788,62.2 83.388,62.8 101.745,62.8 104.598,59.947 104.998,59.947 v4(105.145,59.8) ; v1(82.745,136.888) 82.788,136.888 83.388,137.488 101.745,137.488 104.598,134.635 104.998,134.635 v4(105.145,134.488) ; v1(82.745,211.576) 82.788,211.576 83.388,212.176 101.745,212.176 104.598,209.324 104.998,209.324 v4(105.145,209.176) ; v1(82.745,286.264) 82.788,286.264 83.388,286.864 101.745,286.864 104.598,284.012 104.998,284.012 v4(105.145,283.864) ; v1(89.545,23.4) 89.545,22.2 90.545,21.2 103.756,21.2 104.556,22 v1(104.745,22) ; v1(89.545,98.088) 89.545,96.888 90.545,95.888 103.756,95.888 104.556,96.688 v1(104.745,96.688) ; v1(89.545,172.776) 89.545,171.576 90.545,170.576 103.756,170.576 104.556,171.376 v1(104.745,171.376) ; v1(89.545,247.464) 89.545,246.264 90.545,245.264 103.756,245.264 104.556,246.064 v1(104.745,246.064) ; v1(92.345,23.4) 99.345,23.4 101.415,25.47 101.945,25.47 ; v1(92.345,98.088) 99.345,98.088 101.415,100.158 101.945,100.158 ; v1(92.345,172.776) 99.345,172.776 101.415,174.846 101.945,174.846 ; v1(92.345,247.464) 99.345,247.464 101.415,249.534 101.945,249.534 ; 94.945,74.2 94.945,73 v3(96.745,74.8) ; 94.945,148.888 94.945,147.688 v3(96.745,149.488) ; 94.945,223.576 94.945,222.376 v3(96.745,224.176) ; 94.945,298.264 94.945,297.064 v3(96.745,298.864) ; v3@96.545,74.8 97.545,75.8 v1(102.421,75.8) ; v3@96.545,149.488 97.545,150.488 v1(102.421,150.488) ; v3@96.545,224.176 97.545,225.176 v1(102.421,225.176) ; v3@96.545,298.864 97.545,299.864 v1(102.421,299.864) ; 102.358,25.866 103.411,25.866 ; 102.358,100.554 103.411,100.554 ; 102.358,175.242 103.411,175.242 ; 102.358,249.93 103.411,249.93 ; 104.445,25.5 104.079,25.866 103.411,25.866 ; 104.445,100.188 104.079,100.554 103.411,100.554 ; 104.445,174.876 104.079,175.242 103.411,175.242 ; 104.445,249.564 104.079,249.93 103.411,249.93 ; 104.545,25.4 104.596,25.4 104.996,25 108.545,25 112.745,29.2 v1(114.345,29.2) ; 104.545,100.088 104.596,100.088 104.996,99.688 108.545,99.688 112.745,103.888 v1(114.345,103.888) ; 104.545,174.776 104.596,174.776 104.996,174.376 108.545,174.376 112.745,178.576 v1(114.345,178.576) ; 104.545,249.464 104.596,249.464 104.996,249.064 108.545,249.064 112.745,253.264 v1(114.345,253.264) ; v1(106.345,26.4) 108.145,26.4 115.345,33.6 115.345,42.411 114.945,42.811 v1(114.945,43) ; v1(106.345,101.088) 108.145,101.088 115.345,108.288 115.345,117.099 114.945,117.499 v1(114.945,117.688) ; v1(106.345,175.776) 108.145,175.776 115.345,182.976 115.345,191.787 114.945,192.187 v1(114.945,192.376) ; v1(106.345,250.464) 108.145,250.464 115.345,257.664 115.345,266.475 114.945,266.875 v1(114.945,267.064) ; v1@108.145,57 114.545,57 v1(115.545,56) 118.03,53.515 118.03,27.285 v1(114.945,24.2) ; v1@108.145,131.688 114.545,131.688 v1(115.545,130.688) 118.03,128.203 118.03,101.973 v1(114.945,98.888) ; v1@108.145,206.376 114.545,206.376 v1(115.545,205.376) 118.03,202.891 118.03,176.661 v1(114.945,173.576) ; v1@108.145,281.064 114.545,281.064 v1(115.545,280.064) 118.03,277.579 118.03,251.349 v1(114.945,248.264) ; v1(113.745,34.2) 107.945,28.4 105.945,28.4 103.411,25.866 ; v1(113.745,108.888) 107.945,103.088 105.945,103.088 103.411,100.554 ; v1(113.745,183.576) 107.945,177.776 105.945,177.776 103.411,175.242 ; v1(113.745,258.264) 107.945,252.464 105.945,252.464 103.411,249.93 ; v1(130.89,62.2) 130.933,62.2 131.533,62.8 149.89,62.8 152.743,59.947 153.143,59.947 v4(153.29,59.8) ; v1(130.89,136.888) 130.933,136.888 131.533,137.488 149.89,137.488 152.743,134.635 153.143,134.635 v4(153.29,134.488) ; v1(130.89,211.576) 130.933,211.576 131.533,212.176 149.89,212.176 152.743,209.324 153.143,209.324 v4(153.29,209.176) ; v1(130.89,286.264) 130.933,286.264 131.533,286.864 149.89,286.864 152.743,284.012 153.143,284.012 v4(153.29,283.864) ; v1(137.69,98.088) 137.69,96.888 138.69,95.888 151.901,95.888 152.701,96.688 v1(152.89,96.688) ; v1(137.69,172.776) 137.69,171.576 138.69,170.576 151.901,170.576 152.701,171.376 v1(152.89,171.376) ; v1(137.69,247.464) 137.69,246.264 138.69,245.264 151.901,245.264 152.701,246.064 v1(152.89,246.064) ; v1(137.69,23.4) 137.69,22.2 138.69,21.2 151.901,21.2 152.701,22 v1(152.89,22) ; v1(140.49,23.4) 147.49,23.4 149.56,25.47 150.09,25.47 ; v1(140.49,98.088) 147.49,98.088 149.56,100.158 150.09,100.158 ; v1(140.49,172.776) 147.49,172.776 149.56,174.846 150.09,174.846 ; v1(140.49,247.464) 147.49,247.464 149.56,249.534 150.09,249.534 ; 143.09,74.2 143.09,73 v3(144.89,74.8) ; 143.09,148.888 143.09,147.688 v3(144.89,149.488) ; 143.09,223.576 143.09,222.376 v3(144.89,224.176) ; 143.09,298.264 143.09,297.064 v3(144.89,298.864) ; v3@144.69,74.8 145.69,75.8 v1(150.566,75.8) ; v3@144.69,149.488 145.69,150.488 v1(150.566,150.488) ; v3@144.69,224.176 145.69,225.176 v1(150.566,225.176) ; v3@144.69,298.864 145.69,299.864 v1(150.566,299.864) ; 150.503,25.866 151.556,25.866 ; 150.503,100.554 151.556,100.554 ; 150.503,175.242 151.556,175.242 ; 150.503,249.93 151.556,249.93 ; 152.59,25.5 152.224,25.866 151.556,25.866 ; 152.59,100.188 152.224,100.554 151.556,100.554 ; 152.59,174.876 152.224,175.242 151.556,175.242 ; 152.59,249.564 152.224,249.93 151.556,249.93 ; 152.69,249.464 152.741,249.464 153.141,249.064 156.69,249.064 160.89,253.264 v1(162.49,253.264) ; 152.69,25.4 152.741,25.4 153.141,25 156.69,25 160.89,29.2 v1(162.49,29.2) ; 152.69,100.088 152.741,100.088 153.141,99.688 156.69,99.688 160.89,103.888 v1(162.49,103.888) ; 152.69,174.776 152.741,174.776 153.141,174.376 156.69,174.376 160.89,178.576 v1(162.49,178.576) ; v1(154.49,26.4) 156.29,26.4 163.49,33.6 163.49,42.411 163.09,42.811 v1(163.09,43) ; v1(154.49,101.088) 156.29,101.088 163.49,108.288 163.49,117.099 163.09,117.499 v1(163.09,117.688) ; v1(154.49,175.776) 156.29,175.776 163.49,182.976 163.49,191.787 163.09,192.187 v1(163.09,192.376) ; v1(154.49,250.464) 156.29,250.464 163.49,257.664 163.49,266.475 163.09,266.875 v1(163.09,267.064) ; v1@156.29,57 162.69,57 v1(163.69,56) 166.175,53.515 166.175,27.285 v1(163.09,24.2) ; v1@156.29,131.688 162.69,131.688 v1(163.69,130.688) 166.175,128.203 166.175,101.973 v1(163.09,98.888) ; v1@156.29,206.376 162.69,206.376 v1(163.69,205.376) 166.175,202.891 166.175,176.661 v1(163.09,173.576) ; v1@156.29,281.064 162.69,281.064 v1(163.69,280.064) 166.175,277.579 166.175,251.349 v1(163.09,248.264) ; v1(161.89,34.2) 156.09,28.4 154.09,28.4 151.556,25.866 ; v1(161.89,108.888) 156.09,103.088 154.09,103.088 151.556,100.554 ; v1(161.89,183.576) 156.09,177.776 154.09,177.776 151.556,175.242 ; v1(161.89,258.264) 156.09,252.464 154.09,252.464 151.556,249.93 ; v1(179.035,62.2) 179.078,62.2 179.678,62.8 198.035,62.8 200.888,59.947 201.288,59.947 v4(201.435,59.8) ; v1(179.035,136.888) 179.078,136.888 179.678,137.488 198.035,137.488 200.888,134.635 201.288,134.635 v4(201.435,134.488) ; v1(179.035,211.576) 179.078,211.576 179.678,212.176 198.035,212.176 200.888,209.324 201.288,209.324 v4(201.435,209.176) ; v1(179.035,286.264) 179.078,286.264 179.678,286.864 198.035,286.864 200.888,284.012 201.288,284.012 v4(201.435,283.864) ; v1(185.835,23.4) 185.835,22.2 186.835,21.2 200.046,21.2 200.846,22 v1(201.035,22) ; v1(185.835,98.088) 185.835,96.888 186.835,95.888 200.046,95.888 200.846,96.688 v1(201.035,96.688) ; v1(185.835,172.776) 185.835,171.576 186.835,170.576 200.046,170.576 200.846,171.376 v1(201.035,171.376) ; v1(185.835,247.464) 185.835,246.264 186.835,245.264 200.046,245.264 200.846,246.064 v1(201.035,246.064) ; v1(188.635,23.4) 195.635,23.4 197.705,25.47 198.235,25.47 ; v1(188.635,98.088) 195.635,98.088 197.705,100.158 198.235,100.158 ; v1(188.635,172.776) 195.635,172.776 197.705,174.846 198.235,174.846 ; v1(188.635,247.464) 195.635,247.464 197.705,249.534 198.235,249.534 ; 191.235,74.2 191.235,73 v3(193.035,74.8) ; 191.235,148.888 191.235,147.688 v3(193.035,149.488) ; 191.235,223.576 191.235,222.376 v3(193.035,224.176) ; 191.235,298.264 191.235,297.064 v3(193.035,298.864) ; v3@192.835,74.8 193.835,75.8 v1(198.711,75.8) ; v3@192.835,149.488 193.835,150.488 v1(198.711,150.488) ; v3@192.835,224.176 193.835,225.176 v1(198.711,225.176) ; v3@192.835,298.864 193.835,299.864 v1(198.711,299.864) ; 198.648,25.866 199.701,25.866 ; 198.648,100.554 199.701,100.554 ; 198.648,175.242 199.701,175.242 ; 198.648,249.93 199.701,249.93 ; 200.735,25.5 200.369,25.866 199.701,25.866 ; 200.735,100.188 200.369,100.554 199.701,100.554 ; 200.735,174.876 200.369,175.242 199.701,175.242 ; 200.735,249.564 200.369,249.93 199.701,249.93 ; 200.835,25.4 200.886,25.4 201.286,25 204.835,25 209.035,29.2 v1(210.635,29.2) ; 200.835,100.088 200.886,100.088 201.286,99.688 204.835,99.688 209.035,103.888 v1(210.635,103.888) ; 200.835,174.776 200.886,174.776 201.286,174.376 204.835,174.376 209.035,178.576 v1(210.635,178.576) ; 200.835,249.464 200.886,249.464 201.286,249.064 204.835,249.064 209.035,253.264 v1(210.635,253.264) ; v1(202.635,26.4) 204.435,26.4 211.635,33.6 211.635,42.411 211.235,42.811 v1(211.235,43) ; v1(202.635,101.088) 204.435,101.088 211.635,108.288 211.635,117.099 211.235,117.499 v1(211.235,117.688) ; v1(202.635,175.776) 204.435,175.776 211.635,182.976 211.635,191.787 211.235,192.187 v1(211.235,192.376) ; v1(202.635,250.464) 204.435,250.464 211.635,257.664 211.635,266.475 211.235,266.875 v1(211.235,267.064) ; v1@204.435,57 210.835,57 v1(211.835,56) 214.32,53.515 214.32,27.285 v1(211.235,24.2) ; v1@204.435,131.688 210.835,131.688 v1(211.835,130.688) 214.32,128.203 214.32,101.973 v1(211.235,98.888) ; v1@204.435,206.376 210.835,206.376 v1(211.835,205.376) 214.32,202.891 214.32,176.661 v1(211.235,173.576) ; v1@204.435,281.064 210.835,281.064 v1(211.835,280.064) 214.32,277.579 214.32,251.349 v1(211.235,248.264) ; v1(210.035,34.2) 204.235,28.4 202.235,28.4 199.701,25.866 ; v1(210.035,108.888) 204.235,103.088 202.235,103.088 199.701,100.554 ; v1(210.035,183.576) 204.235,177.776 202.235,177.776 199.701,175.242 ; v1(210.035,258.264) 204.235,252.464 202.235,252.464 199.701,249.93